# KiCad board panel1.kicad_pcb
title: Hakea Wireless keyboard; date: 2022-01-09; rev: 1.0; company: TKW
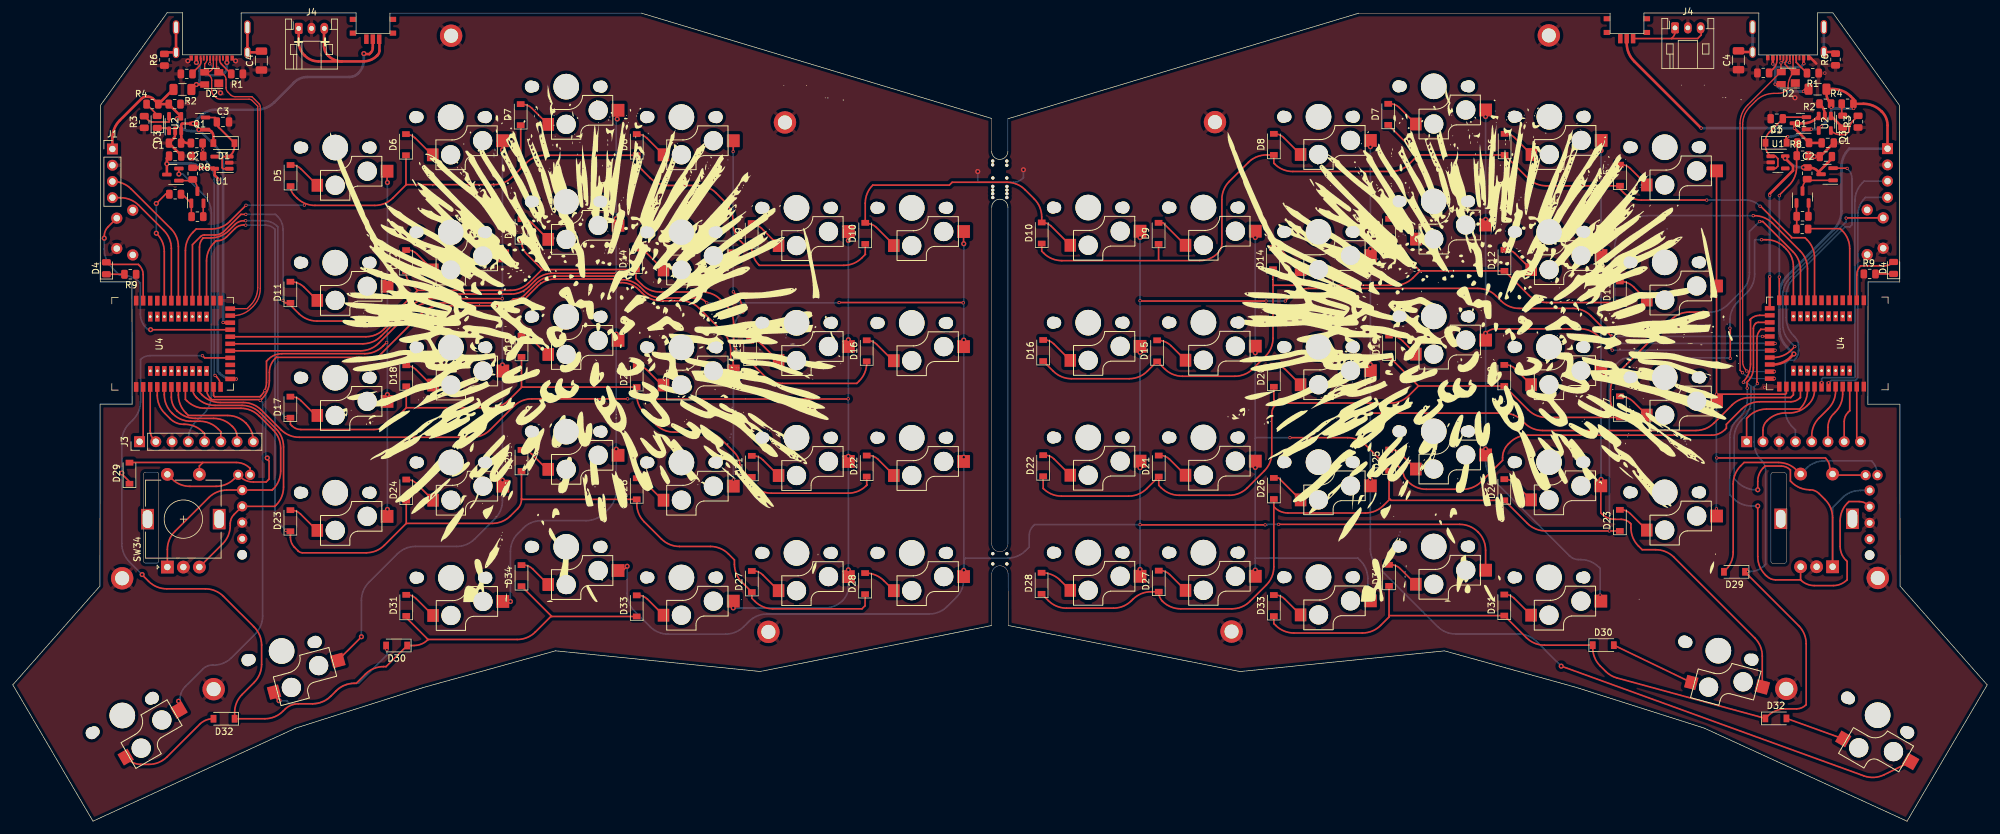
[diagram p0: board, top side]
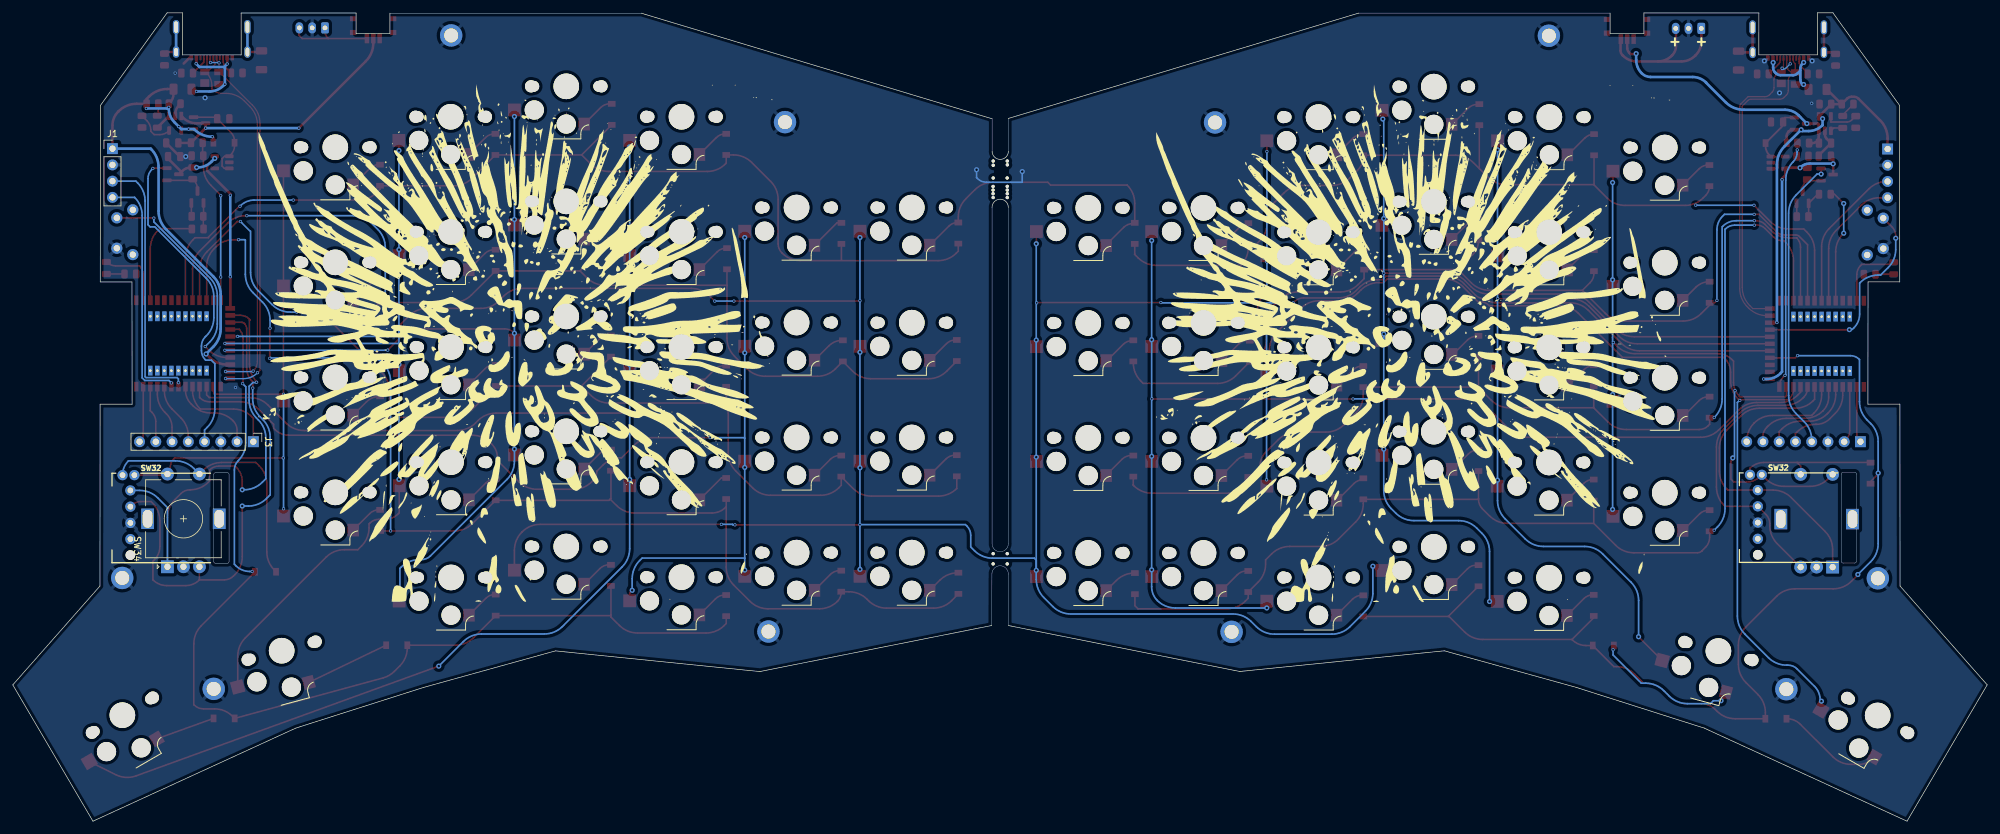
[diagram p1: board, bottom side, seen from below]

Outline 308.56 x 126.45 mm; copper layers: Top, Bottom. Coordinates in mm from the lower left corner of the outline.
Outline path: 152.97,104.79 152.98,109.91 98.22,126.4 58.93,126.4 58.93,123.2 53.65,123.2 53.65,126.42 35.68,126.42 35.69,119.87 26.52,119.87 26.52,126.45 24.11,126.45 13.7,111.97 13.67,84.36 18.62,84.36 18.65,65.23 13.64,65.23 13.62,36.79 0,21.33 12.53,0.01 44.21,14.56 64.2,20.93 84.82,26.65 116.77,23.42 152.98,30.62 152.98,38.68 ; 152.98,96.02 152.98,43.42 ; 155.51,104.79 155.51,109.88 210.34,126.39 249.62,126.39 249.62,123.19 254.9,123.19 254.9,126.42 272.87,126.42 272.86,119.86 282.03,119.86 282.03,126.44 284.45,126.44 294.86,111.96 294.89,84.35 289.93,84.35 289.91,65.23 294.91,65.23 294.94,36.78 308.56,21.32 296.03,0 264.34,14.56 244.36,20.92 223.74,26.64 191.79,23.41 155.58,30.61 155.54,38.68 ; 155.52,43.42 155.52,96.02
Stack: Top 0.035mm / dielectric 1.51mm FR4 er 4.5 / Bottom 0.035mm

## Placement (name value [footprint] x y rotation side)
C1  4.7uF  [C_0805_2012Metric]  25.34 106.07 180 top
C1#2  4.7uF  [C_0805_2012Metric]  283.63 106.1 0 top
C2  1uF  [C_0805_2012Metric]  25.37 104.04 0 top
C2#2  1uF  [C_0805_2012Metric]  283.34 103.96 180 top
C3  1uF  [C_0805_2012Metric]  32.84 109.37 0 top
C3#2  1uF  [C_0805_2012Metric]  275.67 109.88 180 top
C4  4.7n  [C_1206_3216Metric]  38.86 118.97 90 top
C4#2  4.7n  [C_1206_3216Metric]  269.69 119.02 90 top
D1  1N5819  [D_SOD-123]  275.56 106.12 0 top
D1#2  1N5819  [D_SOD-123]  32.99 106.07 180 top
D2  SR05  [SOT-143]  277.46 116.23 180 top
D2#2  SR05  [SOT-143]  31.09 116.18 180 top
D3  POWERLED  [D_0805_2012Metric]  285.97 109.42 90 top
D3#2  POWERLED  [D_0805_2012Metric]  22.58 109.37 90 top
D4  LED_Small  [D_0805_2012Metric]  14.63 86.49 90 top
D4#2  LED_Small  [D_0805_2012Metric]  293.92 86.54 90 top
D5  D_Small  [D_SOD-123]  43.4 100.99 90 top
D5#2  D_Small  [D_SOD-123]  251.17 101.04 90 top
D6  D_Small  [D_SOD-123]  233.14 105.87 90 top
D6#2  D_Small  [D_SOD-123]  61.44 105.82 90 top
D7  D_Small  [D_SOD-123]  79.37 110.52 90 top
D7#2  D_Small  [D_SOD-123]  214.95 110.57 90 top
D8  D_Small  [D_SOD-123]  197.07 105.87 90 top
D8#2  D_Small  [D_SOD-123]  97.51 105.82 90 top
D9  D_Small  [D_SOD-123]  115.46 91.9 90 top
D9#2  D_Small  [D_SOD-123]  179.06 91.95 90 top
D10  D_Small  [D_SOD-123]  133.22 91.95 90 top
D10#2  D_Small  [D_SOD-123]  160.8 92 90 top
D11  D_Small  [D_SOD-123]  43.38 82.73 90 top
D11#2  D_Small  [D_SOD-123]  251.15 82.78 90 top
D12  D_Small  [D_SOD-123]  61.46 87.68 90 top
D12#2  D_Small  [D_SOD-123]  233.11 87.73 90 top
D13  D_Small  [D_SOD-123]  215.08 92.57 90 top
D13#2  D_Small  [D_SOD-123]  79.5 92.52 90 top
D14  D_Small  [D_SOD-123]  97.38 87.94 90 top
D14#2  D_Small  [D_SOD-123]  196.94 87.99 90 top
D15  D_Small  [D_SOD-123]  115.24 73.52 90 top
D15#2  D_Small  [D_SOD-123]  178.83 73.57 90 top
D16  D_Small  [D_SOD-123]  161.03 73.62 90 top
D16#2  D_Small  [D_SOD-123]  133.45 73.57 90 top
D17  D_Small  [D_SOD-123]  251.15 64.81 90 top
D17#2  D_Small  [D_SOD-123]  43.38 64.76 90 top
D18  D_Small  [D_SOD-123]  233.09 69.72 90 top
D18#2  D_Small  [D_SOD-123]  61.49 69.67 90 top
D19  D_Small  [D_SOD-123]  215.08 74.32 90 top
D19#2  D_Small  [D_SOD-123]  79.5 74.27 90 top
D20  D_Small  [D_SOD-123]  197.07 69.6 90 top
D20#2  D_Small  [D_SOD-123]  97.51 69.55 90 top
D21  D_Small  [D_SOD-123]  179.09 55.55 90 top
D21#2  D_Small  [D_SOD-123]  115.49 55.5 90 top
D22  D_Small  [D_SOD-123]  133.45 55.55 90 top
D22#2  D_Small  [D_SOD-123]  161.03 55.6 90 top
D23  D_Small  [D_SOD-123]  251.15 47.05 90 top
D23#2  D_Small  [D_SOD-123]  43.38 47 90 top
D24  D_Small  [D_SOD-123]  61.49 51.79 90 top
D24#2  D_Small  [D_SOD-123]  233.09 51.84 90 top
D25  D_Small  [D_SOD-123]  79.5 56.43 90 top
D25#2  D_Small  [D_SOD-123]  215.08 56.48 90 top
D26  D_Small  [D_SOD-123]  197.07 52.05 90 top
D26#2  D_Small  [D_SOD-123]  97.51 52 90 top
D27  D_Small  [D_SOD-123]  115.49 37.49 90 top
D27#2  D_Small  [D_SOD-123]  179.09 37.54 90 top
D28  D_Small  [D_SOD-123]  133.19 37.16 90 top
D28#2  D_Small  [D_SOD-123]  160.77 37.21 90 top
D29  D_Small  [D_SOD-123]  18.23 54.43 90 top
D29#2  D_Small  [D_SOD-123]  269.06 39.01 180 top
D30  D_Small  [D_SOD-123]  59.99 27.48 180 top
D30#2  D_Small  [D_SOD-123]  248.55 27.53 0 top
D31  D_Small  [D_SOD-123]  233.09 33.81 90 top
D31#2  D_Small  [D_SOD-123]  61.49 33.76 90 top
D32  D_Small  [D_SOD-123]  275.53 16.08 0 top
D32#2  D_Small  [D_SOD-123]  33.02 16.03 180 top
D33  D_Small  [D_SOD-123]  197.07 33.73 90 top
D33#2  D_Small  [D_SOD-123]  97.51 33.68 90 top
D34  D_Small  [D_SOD-123]  79.5 38.41 90 top
D34#2  D_Small  [D_SOD-123]  215.08 38.46 90 top
F1  500ma  [Fuse_1206_3216Metric]  26.51 114.45 0 top
F1#2  500ma  [Fuse_1206_3216Metric]  282.04 114.5 180 top
G***  LOGO  [hakea]  89.68 74.71 0 top
G***#2  LOGO  [tkw-small]  281.24 28.63 0 top
G***#3  LOGO  [tkw-small]  27.99 29.16 0 top
G***#4  LOGO  [hakea]  229.97 74.76 0 top
G***#5  LOGO  [tkw-small]  280.56 29.21 180 bottom
G***#6  LOGO  [tkw-small]  27.3 28.58 180 bottom
G***#7  LOGO  [hakea]  230.05 74.76 180 bottom
G***#8  LOGO  [hakea]  89.76 74.71 180 bottom
H2  MountingHole  [MountingHole_2.2mm_M2_ISO7380_Pad]  17.09 38 0 top
H2#2  MountingHole  [MountingHole_2.2mm_M2_ISO7380_Pad]  291.46 38.05 180 bottom
H3  MountingHole  [MountingHole_2.2mm_M2_ISO7380_Pad]  31.39 20.65 0 top
H3#2  MountingHole  [MountingHole_2.2mm_M2_ISO7380_Pad]  277.16 20.7 180 bottom
H4  MountingHole  [MountingHole_2.2mm_M2_ISO7380_Pad]  118.08 29.62 0 top
H4#2  MountingHole  [MountingHole_2.2mm_M2_ISO7380_Pad]  190.47 29.67 180 bottom
H5  MountingHole  [MountingHole_2.2mm_M2_ISO7380_Pad]  120.67 109.3 0 top
H5#2  MountingHole  [MountingHole_2.2mm_M2_ISO7380_Pad]  187.87 109.35 180 bottom
H6  MountingHole  [MountingHole_2.2mm_M2_ISO7380_Pad]  68.5 122.86 0 top
H6#2  MountingHole  [MountingHole_2.2mm_M2_ISO7380_Pad]  240.05 122.91 180 bottom
J1  SWD PORT  [PinHeader_1x04_P2.54mm_Vertical]  15.57 105.15 0 top
J1#2  SWD PORT  [PinHeader_1x04_P2.54mm_Vertical]  292.98 105.2 180 bottom
J2  USB_C_Receptacle_USB2.0  [USB-C_C168688]  277.46 126.42 0 top
J2#2  USB_C_Receptacle_USB2.0  [USB-C_C168688]  31.09 126.37 0 top
J3  epaper-102  [PinHeader_1x08_P2.54mm_Vertical]  19.81 59.36 90 top
J3#2  epaper-102  [PinHeader_1x08_P2.54mm_Vertical]  270.97 59.36 270 bottom
J4  Conn_01x03  [JST_PH_S3B-PH-K_1x03_P2.00mm_Horizontal]  44.68 124 0 top
J4#2  Conn_01x03  [JST_PH_S3B-PH-K_1x03_P2.00mm_Horizontal]  259.77 124.09 0 top
mouse-bite-2.54mm-slot  VAL**  [mouse-bite-2.54mm-slot]  154.25 41.05 90 top
mouse-bite-2.54mm-slot#2  VAL**  [mouse-bite-2.54mm-slot#2]  154.25 98.35 90 top
Q1  AO3401A  [SOT-23]  279.37 109.17 180 top
Q1#2  AO3401A  [SOT-23]  29.18 109.12 180 top
Q2  2N7002  [SOT-23]  28.85 97.59 90 top
Q2#2  2N7002  [SOT-23]  279.7 97.64 90 top
Q3  AO3401A  [SOT-23]  283.53 101.19 180 top
Q3#2  AO3401A  [SOT-23]  25.02 101.14 180 top
R1  5.1k  [R_0805_2012Metric]  35.05 116.89 180 top
R1#2  5.1k  [R_0805_2012Metric]  281.3 117.02 180 top
R2  10k  [R_0805_2012Metric]  25.29 112.17 0 top
R2#2  10k  [R_0805_2012Metric]  283.25 112.22 180 top
R3  10k  [R_0805_2012Metric]  20.54 109.37 90 top
R3#2  10k  [R_0805_2012Metric]  288.37 109.42 90 top
R4  1k  [R_0805_2012Metric]  286.73 112.22 180 top
R4#2  1k  [R_0805_2012Metric]  21.81 112.17 180 top
R5  5.1k  [R_0805_2012Metric]  273.56 117.04 0 top
R5#2  5.1k  [R_0805_2012Metric]  27.18 116.89 0 top
R6  1M  [R_0805_2012Metric]  23.69 119.1 90 top
R6#2  1M  [R_0805_2012Metric]  284.85 119.15 90 top
R7  806k  [R_0805_2012Metric]  279.79 106.12 0 top
R7#2  806k  [R_0805_2012Metric]  28.75 106.07 180 top
R8  2M  [R_0805_2012Metric]  28.85 104.04 0 top
R8#2  2M  [R_0805_2012Metric]  279.7 104.09 180 top
R9  1k  [R_0805_2012Metric]  18.36 85.55 0 top
R9#2  1k  [R_0805_2012Metric]  290.19 85.6 180 top
R10  100R  [R_0805_2012Metric]  279.65 92.63 180 top
R10#2  1k  [R_0805_2012Metric]  25.37 98.07 0 top
R11  1k  [R_0805_2012Metric]  28.85 94.56 180 top
R11#2  10K  [R_0805_2012Metric]  279.7 94.61 180 top
R12  1k  [R_0805_2012Metric]  28.11 101.3 90 top
R12#2  10K  [R_0805_2012Metric]  280.43 101.35 90 top
SW1  SW_SPST  [TC-1101V]  17.5 92.08 270 top
SW1#2  SW_SPST  [TC-1101V]  291.05 92.13 270 bottom
SW2  SW_Push  [CherryMX_Choc_Hotswap-1side]  50.39 105.37 0 top
SW2#2  SW_Push  [CherryMX_Choc_Hotswap-1side]  258.16 105.42 0 top
SW3  SW_Push  [CherryMX_Choc_Hotswap-1side]  240.12 110.19 0 top
SW3#2  SW_Push  [CherryMX_Choc_Hotswap-1side]  68.42 110.14 0 top
SW4  SW_Push  [CherryMX_Choc_Hotswap-1side]  222.06 114.95 0 top
SW4#2  SW_Push  [CherryMX_Choc_Hotswap-1side]  86.48 114.9 0 top
SW5  SW_Push  [CherryMX_Choc_Hotswap-1side]  104.49 110.14 0 top
SW5#2  SW_Push  [CherryMX_Choc_Hotswap-1side]  204.05 110.19 0 top
SW6  SW_Push  [CherryMX_Choc_Hotswap-1side]  186.07 95.99 0 top
SW6#2  SW_Push  [CherryMX_Choc_Hotswap-1side]  122.48 95.94 0 top
SW7  SW_Push  [CherryMX_Choc_Hotswap-1side]  168.06 95.99 0 top
SW7#2  SW_Push  [CherryMX_Choc_Hotswap-1side]  140.48 95.94 0 top
SW8  SW_Push  [CherryMX_Choc_Hotswap-1side]  258.16 87.42 0 top
SW8#2  SW_Push  [CherryMX_Choc_Hotswap-1side]  50.39 87.36 0 top
SW9  SW_Push  [CherryMX_Choc_Hotswap-1side]  240.1 92.18 0 top
SW9#2  SW_Push  [CherryMX_Choc_Hotswap-1side]  68.45 92.13 0 top
SW10  SW_Push  [CherryMX_Choc_Hotswap-1side]  86.48 96.9 0 top
SW10#2  SW_Push  [CherryMX_Choc_Hotswap-1side]  222.06 96.95 0 top
SW11  SW_Push  [CherryMX_Choc_Hotswap-1side]  104.49 92.13 0 top
SW11#2  SW_Push  [CherryMX_Choc_Hotswap-1side]  204.06 92.18 0 top
SW12  SW_Push  [CherryMX_Choc_Hotswap-1side]  122.48 77.95 0 top
SW12#2  SW_Push  [CherryMX_Choc_Hotswap-1side]  186.07 78 0 top
SW13  SW_Push  [CherryMX_Choc_Hotswap-1side]  140.48 77.93 0 top
SW13#2  SW_Push  [CherryMX_Choc_Hotswap-1side]  168.06 77.98 0 top
SW14  SW_Push  [CherryMX_Choc_Hotswap-1side]  258.16 69.42 0 top
SW14#2  SW_Push  [CherryMX_Choc_Hotswap-1side]  50.39 69.37 0 top
SW15  SW_Push  [CherryMX_Choc_Hotswap-1side]  68.47 74.12 0 top
SW15#2  SW_Push  [CherryMX_Choc_Hotswap-1side]  240.07 74.17 0 top
SW16  SW_Push  [CherryMX_Choc_Hotswap-1side]  86.48 78.91 0 top
SW16#2  SW_Push  [CherryMX_Choc_Hotswap-1side]  222.06 78.96 0 top
SW17  SW_Push  [CherryMX_Choc_Hotswap-1side]  104.49 74.12 0 top
SW17#2  SW_Push  [CherryMX_Choc_Hotswap-1side]  204.06 74.17 0 top
SW18  SW_Push  [CherryMX_Choc_Hotswap-1side]  122.48 59.97 0 top
SW18#2  SW_Push  [CherryMX_Choc_Hotswap-1side]  186.07 60.02 0 top
SW19  SW_Push  [CherryMX_Choc_Hotswap-1side]  168.06 60.02 0 top
SW19#2  SW_Push  [CherryMX_Choc_Hotswap-1side]  140.48 59.97 0 top
SW20  SW_Push  [CherryMX_Choc_Hotswap-1side]  50.39 51.38 0 top
SW20#2  SW_Push  [CherryMX_Choc_Hotswap-1side]  258.16 51.43 0 top
SW21  SW_Push  [CherryMX_Choc_Hotswap-1side]  68.47 56.11 0 top
SW21#2  SW_Push  [CherryMX_Choc_Hotswap-1side]  240.07 56.16 0 top
SW22  SW_Push  [CherryMX_Choc_Hotswap-1side]  86.48 60.94 0 top
SW22#2  SW_Push  [CherryMX_Choc_Hotswap-1side]  222.06 60.99 0 top
SW23  SW_Push  [CherryMX_Choc_Hotswap-1side]  104.49 56.11 0 top
SW23#2  SW_Push  [CherryMX_Choc_Hotswap-1side]  204.06 56.16 0 top
SW24  SW_Push  [CherryMX_Choc_Hotswap-1side]  122.48 41.96 0 top
SW24#2  SW_Push  [CherryMX_Choc_Hotswap-1side]  186.07 42.01 0 top
SW25  SW_Push  [CherryMX_Choc_Hotswap-1side]  168.06 42.01 0 top
SW25#2  SW_Push  [CherryMX_Choc_Hotswap-1side]  140.48 41.96 0 top
SW26  SW_Push  [CherryMX_Choc_Hotswap-1side]  42.01 26.62 15 top
SW26#2  SW_Push  [CherryMX_Choc_Hotswap-1side]  266.54 26.67 345 top
SW27  SW_Push  [CherryMX_Choc_Hotswap-1side]  240.07 38.13 0 top
SW27#2  SW_Push  [CherryMX_Choc_Hotswap-1side]  68.47 38.08 0 top
SW28  SW_Push  [CherryMX_Choc_Hotswap-1side]  291.43 16.59 330 top
SW28#2  SW_Push  [CherryMX_Choc_Hotswap-1side]  17.12 16.54 30 top
SW29  SW_Push  [CherryMX_Choc_Hotswap-1side]  204.06 38.17 0 top
SW29#2  SW_Push  [CherryMX_Choc_Hotswap-1side]  104.49 38.12 0 top
SW30  SW_Push  [CherryMX_Choc_Hotswap-1side]  222.06 42.96 0 top
SW30#2  SW_Push  [CherryMX_Choc_Hotswap-1side]  86.48 42.91 0 top
SW32  Rotary_Encoder_Switch  [RollerEncoder_Panasonic_EVQWGD001]  30.22 47.98 180 bottom
SW32#2  Rotary_Encoder_Switch  [RollerEncoder_Panasonic_EVQWGD001]  284.56 47.93 180 bottom
SW33  SW_SPDT  [midmount_slide]  57.61 121.82 180 top
SW33#2  SW_SPDT  [midmount_slide]  253.57 121.92 180 top
SW34  Rotary_Encoder_Switch  [RotaryEncoder_Alps_EC11E-Switch_Vertical_H20mm]  24.16 39.75 90 top
SW34#2  Rotary_Encoder_Switch  [RotaryEncoder_Alps_EC11E-Switch_Vertical_H20mm]  284.39 39.8 90 bottom
U1  AP2112K-3.3  [SOT-23-5]  32.69 103.01 180 top
U1#2  AP2112K-3.3  [SOT-23-5]  275.85 103.06 0 top
U2  TP4054  [SOT-23-5]  25.37 109.12 90 top
U2#2  TP4054  [SOT-23-5]  283.18 109.17 270 top
U4  -  [nRF52840_holyiot_18010]  283.57 74.73 270 top
U4#2  -  [nRF52840_holyiot_18010]  24.98 74.68 90 top

## Library data of the parts
J2 J2#2 = -: JLC Part: C168688; LCSC Part: C168688
SW1 = -: Field4: RESET; Field5: *
SW1#2 = -: Field4: *; Field5: RESET
SW33 SW33#2 = -: Field4: SK-3293S

## Footprints (pads in the part's own frame, mm; a bottom-side part is the same pattern mirrored in y, then rotated)
C_0805_2012Metric
  rrect 1x1.45 smd: 1(-0.95,0) 2(0.95,0)
C_1206_3216Metric
  rrect 1.15x1.8 smd: 1(-1.475,0) 2(1.475,0)
CherryMX_Choc_Hotswap-1side
  round 1.9 hole 1.9 unplated: (-5.5,0) (5.5,0)
  round 1.7 hole 1.7 unplated: (-5.08,0) (5.08,0)
  round 4 hole 4 unplated: (0,0)
  round 3 hole 3 unplated: (0,-5.9) (5,-3.7)
  rect 1.8x2 smd: 1(-2.8,-5.9)
  rect 2x2 smd: 2(8.1,-3.7)
D_0805_2012Metric
  rrect 0.975x1.4 smd: 1(-0.938,0) 2(0.938,0)
D_SOD-123
  rect 0.9x1.2 smd: 1(-1.65,0) 2(1.65,0)
Fuse_1206_3216Metric
  rrect 1.25x1.75 smd: 1(-1.4,0) 2(1.4,0)
JST_PH_S3B-PH-K_1x03_P2.00mm_Horizontal
  rrect 1.2x1.75 hole 0.75: 1(0,0)
  oval 1.2x1.75 hole 0.75: 2(2,0) 3(4,0)
midmount_slide
  rrect 0.7x1.5 smd: 1(0.35,-0.5) 2(1.35,-0.5) 3(2.35,-0.5)
  rrect 1x0.8 smd: 4(-1.8,-1.45) 4(-1.8,-3.6) 4(4.45,-1.45) 4(4.45,-3.6)
MountingHole_2.2mm_M2_ISO7380_Pad
  round 3.5 hole 2.2: 1(0,0)
mouse-bite-2.54mm-slot
  round 0.5 hole 0.5 unplated: (-0.8,1.1) (-0.8,-1.1) (0.8,1.1) (0.8,-1.1)
mouse-bite-2.54mm-slot#2
  round 0.5 hole 0.5 unplated: (-0.8,1.1) (-0.8,-1.1) (-0.2,1.11) (-0.2,-1.11) (0.37,1.11) (0.37,-1.11) (0.94,-1.11) (0.95,1.1) (2.26,1.09) (2.26,-1.09) (4.25,-1.09) (4.32,1.12) (4.91,1.11) (4.91,-1.09)
nRF52840_holyiot_18010
  rect 1.524x0.7 smd: 1(-6.75,5.7) 2(-6.75,4.6) 3(-6.75,3.5) 4(-6.75,2.4) 5(-6.75,1.3) 6(-6.75,0.2) 7(-6.75,-0.9) 8(-6.75,-2) 9(-6.75,-3.1) 10(-6.75,-4.2) 11(-6.75,-5.3) 12(-6.75,-6.4) 13(-6.75,-7.5) 25(6.75,-7.5) 26(6.75,-6.4) 27(6.75,-5.3) 28(6.75,-4.2) 29(6.75,-3.1) 30(6.75,-2) 31(6.75,-0.9) 32(6.75,0.2) 33(6.75,1.3) 34(6.75,2.4) 35(6.75,3.5) 36(6.75,4.6) 37(6.75,5.7)
  rect 0.7x1.524 smd: 14(-5.5,-9) 15(-4.4,-9) 16(-3.3,-9) 17(-2.2,-9) 18(-1.1,-9) 19(0,-9) 20(1.1,-9) 21(2.2,-9) 22(3.3,-9) 23(4.4,-9) 24(5.5,-9)
  rect 1.524x0.7 hole 0.4: 38(-4.25,3.5) 39(-4.25,2.4) 40(-4.25,1.3) 41(-4.25,0.2) 42(-4.25,-0.9) 43(-4.25,-2) 44(-4.25,-3.1) 45(-4.25,-4.2) 46(-4.25,-5.3) 47(4.25,3.5) 48(4.25,2.4) 49(4.25,1.3) 50(4.25,0.2) 51(4.25,-0.9) 52(4.25,-2) 53(4.25,-3.1) 54(4.25,-4.2) 55(4.25,-5.3)
PinHeader_1x04_P2.54mm_Vertical
  rect 1.7x1.7 hole 1: 1(0,0)
  oval 1.7x1.7 hole 1: 2(0,-2.54) 3(0,-5.08) 4(0,-7.62)
PinHeader_1x08_P2.54mm_Vertical
  rect 1.7x1.7 hole 1: 1(0,0)
  oval 1.7x1.7 hole 1: 2(0,-2.54) 3(0,-5.08) 4(0,-7.62) 5(0,-10.16) 6(0,-12.7) 7(0,-15.24) 8(0,-17.78)
R_0805_2012Metric
  rrect 1.025x1.4 smd: 1(-0.912,0) 2(0.912,0)
RollerEncoder_Panasonic_EVQWGD001
  round 1.5 hole 1.5 unplated: (-5.625,-6.3)
  round 1.6 hole 0.9: A(-5.625,3.81) B(-5.625,1.27) C(-5.625,-1.27) D(-5.625,-3.81) S1(-6.85,6.2) S2(-5,6.2)
RotaryEncoder_Alps_EC11E-Switch_Vertical_H20mm
  rect 2x2 hole 1: A(0,0)
  round 2 hole 1: B(0,-5) C(0,-2.5) S1(14.5,-5) S2(14.5,0)
  rect 3.2x2 hole 2.8x1.5: MP(7.5,3.1) MP(7.5,-8.1)
SOT-23
  rrect 1.475x0.6 smd: 1(-0.938,0.95) 2(-0.938,-0.95) 3(0.938,0)
SOT-23-5
  rrect 1.325x0.6 smd: 1(-1.137,0.95) 2(-1.137,0) 3(-1.137,-0.95) 4(1.137,-0.95) 5(1.137,0.95)
SOT-143
  rect 1.4x1.2 smd: 1(-1.1,0.77)
  rect 1.4x1 smd: 2(-1.1,-0.95) 3(1.1,-0.95) 4(1.1,0.95)
TC-1101V
  round 1.75 hole 1: 1(-2.25,-1.25) 2(2.5,-1.25) 3(-3.5,1.25) 3(3.5,1.25)
USB-C_C168688
  rect 0.54x0.8 smd: A1(-3.2,-7) A1(3.2,-7) A4(-2.4,-7) A4(2.4,-7)
  rect 0.3x0.8 smd: A5(1.25,-7) A6(0.25,-7) A7(-0.25,-7) A8(-1.25,-7) B5(-1.75,-7) B6(-0.75,-7) B7(0.75,-7) B8(1.758,-7)
  oval 1x2.2 hole 0.6x1.8: S1(-5.575,-2.2) S2(5.575,-2.2)
  oval 1x1.8 hole 0.6x1.4: S3(-5.575,-6.1)
  oval 1x1.8 hole 0.6x1.3: S4(5.575,-6.1)

## Nets
GND: C1.2 C1#2.2 C2.2 C2#2.2 C3.2 C3#2.2 C4.1 C4#2.1 D2.1 D2#2.1 H2.1 H2#2.1 H3.1 H3#2.1 H4.1 H4#2.1 H5.1 H5#2.1 H6.1 H6#2.1 J1.2 J1#2.2 J2.A1 J2#2.A1 J3.3 J3#2.3 J4.2 J4#2.2 R1.1 R1#2.1 R2.2 R2#2.2 R3.1 R3#2.1 R5.1 R5#2.1 R6.1 R6#2.1 R8.1 R8#2.1 R9.2 R9#2.2 SW1.2 SW1#2.2 SW32.C SW32#2.C SW34.C SW34#2.C U1.2 U1#2.2 U2.2 U2#2.2 U4.1 U4.25 U4.37 U4#2.1 U4#2.25 U4#2.37
VBAT: C1.1 C1#2.1 Q1.3 Q1#2.3 R7.2 R7#2.2 SW33.2 SW33#2.2 U2.3 U2#2.3
VBUS: D1.2 D1#2.2 F1.1 F1#2.1 J1.1 J1#2.1 Q1.1 Q1#2.1 R2.1 R2#2.1 R4.1 R4#2.1 U2.4 U2#2.4 U4.22 U4#2.22
VDD_NRF: C2.1 C2#2.1 Q3.3 Q3#2.3 R12.2 R12#2.2 U1.5 U1#2.5 U4.14 U4#2.14
/CC1: J2.A5 J2#2.A5 R1.2 R1#2.2
/CC2: J2.B5 J2#2.B5 R5.2 R5#2.2
BUSY: J3.8 J3#2.8 U4.36 U4#2.7
BVOLT: R7.1 R7#2.1 R8.2 R8#2.2 U4.13 U4#2.13
COL0: SW2.2 SW2#2.2 SW8.2 SW8#2.2 SW14.2 SW14#2.2 SW20.2 SW20#2.2 SW32.S2 SW32#2.S2 SW34.S2 SW34#2.S2 U4.26 U4#2.12
COL1: SW3.2 SW3#2.2 SW9.2 SW9#2.2 SW15.2 SW15#2.2 SW21.2 SW21#2.2 SW26.2 SW26#2.2 U4.19 U4#2.19
COL2: SW4.2 SW4#2.2 SW10.2 SW10#2.2 SW16.2 SW16#2.2 SW22.2 SW22#2.2 SW27.2 SW27#2.2 U4.20 U4#2.20
COL3: SW5.2 SW5#2.2 SW11.2 SW11#2.2 SW17.2 SW17#2.2 SW23.2 SW23#2.2 SW28.2 SW28#2.2 U4.27 U4#2.11
COL4: SW6.2 SW6#2.2 SW12.2 SW12#2.2 SW18.2 SW18#2.2 SW24.2 SW24#2.2 SW29.2 SW29#2.2 U4.28 U4#2.10
COL5: SW7.2 SW7#2.2 SW13.2 SW13#2.2 SW19.2 SW19#2.2 SW25.2 SW25#2.2 SW30.2 SW30#2.2 U4.18 U4#2.18
CS: J3.1 J3#2.1 U4.29 U4#2.2
D+: D2.3 D2#2.3 J2.A6 J2.B6 J2#2.A6 J2#2.B6 U4.24 U4#2.24
D-: D2.2 D2#2.2 J2.A7 J2.B7 J2#2.A7 J2#2.B7 U4.23 U4#2.23
DC: J3.2 J3#2.2 U4.30 U4#2.3
Earth: C4.2 C4#2.2 J2.S1 J2.S2 J2.S3 J2.S4 J2#2.S1 J2#2.S2 J2#2.S3 J2#2.S4 R6.2 R6#2.2
LED_1: D4.2 D4#2.2 U4.2 U4#2.36
MOSI: J3.6 J3#2.6 U4.34 U4#2.5
PWR: J3.4 J3#2.4 Q3.2 Q3#2.2
PWR_EN: R10.1 R10#2.1 U4.3 U4#2.33
RAW: D2.4 D2#2.4 F1.2 F1#2.2 J2.A4 J2#2.A4
RESET: SW1.1 SW1#2.1 U4.21 U4#2.21
ROT1A: SW32.A SW32#2.A SW34.A SW34#2.A U4.15 U4#2.8
ROT1B: SW32.B SW32#2.B SW34.B SW34#2.B U4.16 U4#2.9
ROW0: D5.1 D5#2.1 D6.1 D6#2.1 D7.1 D7#2.1 D8.1 D8#2.1 D9.1 D9#2.1 D10.1 D10#2.1 U4.8 U4#2.30
ROW1: D11.1 D11#2.1 D12.1 D12#2.1 D13.1 D13#2.1 D14.1 D14#2.1 D15.1 D15#2.1 D16.1 D16#2.1 U4.9 U4#2.29
ROW2: D17.1 D17#2.1 D18.1 D18#2.1 D19.1 D19#2.1 D20.1 D20#2.1 D21.1 D21#2.1 D22.1 D22#2.1 U4.10 U4#2.28
ROW3: D23.1 D23#2.1 D24.1 D24#2.1 D25.1 D25#2.1 D26.1 D26#2.1 D27.1 D27#2.1 D28.1 D28#2.1 U4.11 U4#2.27
ROW4: D29.1 D29#2.1 D30.1 D30#2.1 D31.1 D31#2.1 D32.1 D32#2.1 D33.1 D33#2.1 D34.1 D34#2.1 U4.17 U4#2.17
RST: J3.7 J3#2.7 U4.35 U4#2.6
SCLK: J3.5 J3#2.5 U4.33 U4#2.4
SWC: J1.3 J1#2.3 U4.31 U4#2.31
SWD: J1.4 J1#2.4 U4.32 U4#2.32
Net-(C3-Pad1): C3.1 C3#2.1 D1.1 D1#2.1 Q1.2 Q1#2.2 U1.1 U1.3 U1#2.1 U1#2.3
Net-(D3-Pad1): D3.1 D3#2.1 U2.1 U2#2.1
Net-(D3-Pad2): D3.2 D3#2.2 R4.2 R4#2.2
Net-(D4-Pad1): D4.1 D4#2.1 R9.1 R9#2.1
Net-(D5-Pad2): D5.2 D5#2.2 SW2.1 SW2#2.1
Net-(D6-Pad2): D6.2 D6#2.2 SW3.1 SW3#2.1
Net-(D7-Pad2): D7.2 D7#2.2 SW4.1 SW4#2.1
Net-(D8-Pad2): D8.2 D8#2.2 SW5.1 SW5#2.1
Net-(D9-Pad2): D9.2 D9#2.2 SW6.1 SW6#2.1
Net-(D10-Pad2): D10.2 D10#2.2 SW7.1 SW7#2.1
Net-(D11-Pad2): D11.2 D11#2.2 SW8.1 SW8#2.1
Net-(D12-Pad2): D12.2 D12#2.2 SW9.1 SW9#2.1
Net-(D13-Pad2): D13.2 D13#2.2 SW10.1 SW10#2.1
Net-(D14-Pad2): D14.2 D14#2.2 SW11.1 SW11#2.1
Net-(D15-Pad2): D15.2 D15#2.2 SW12.1 SW12#2.1
Net-(D16-Pad2): D16.2 D16#2.2 SW13.1 SW13#2.1
Net-(D17-Pad2): D17.2 D17#2.2 SW14.1 SW14#2.1
Net-(D18-Pad2): D18.2 D18#2.2 SW15.1 SW15#2.1
Net-(D19-Pad2): D19.2 D19#2.2 SW16.1 SW16#2.1
Net-(D20-Pad2): D20.2 D20#2.2 SW17.1 SW17#2.1
Net-(D21-Pad2): D21.2 D21#2.2 SW18.1 SW18#2.1
Net-(D22-Pad2): D22.2 D22#2.2 SW19.1 SW19#2.1
Net-(D23-Pad2): D23.2 D23#2.2 SW20.1 SW20#2.1
Net-(D24-Pad2): D24.2 D24#2.2 SW21.1 SW21#2.1
Net-(D25-Pad2): D25.2 D25#2.2 SW22.1 SW22#2.1
Net-(D26-Pad2): D26.2 D26#2.2 SW23.1 SW23#2.1
Net-(D27-Pad2): D27.2 D27#2.2 SW24.1 SW24#2.1
Net-(D28-Pad2): D28.2 D28#2.2 SW25.1 SW25#2.1
Net-(D29-Pad2): D29.2 D29#2.2 SW32.S1 SW32#2.S1 SW34.S1 SW34#2.S1
Net-(D30-Pad2): D30.2 D30#2.2 SW26.1 SW26#2.1
Net-(D31-Pad2): D31.2 D31#2.2 SW27.1 SW27#2.1
Net-(D32-Pad2): D32.2 D32#2.2 SW28.1 SW28#2.1
Net-(D33-Pad2): D33.2 D33#2.2 SW29.1 SW29#2.1
Net-(D34-Pad2): D34.2 D34#2.2 SW30.1 SW30#2.1
Net-(J4-Pad1): J4.1 J4.3 J4#2.1 J4#2.3 SW33.1 SW33#2.1
Net-(Q2-Pad1): Q2.1 Q2#2.1 R10.2 R10#2.2 R11.2 R11#2.2
Net-(Q2-Pad2): Q2.2 Q2#2.2 R11.1 R11#2.1
Net-(Q2-Pad3): Q2.3 Q2#2.3 Q3.1 Q3#2.1 R12.1 R12#2.1
Net-(R3-Pad2): R3.2 R3#2.2 U2.5 U2#2.5

Pads without a net: J2 A8 B8; J2#2 A8 B8; SW1 3; SW1#2 3; SW32 D; SW32#2 D; SW33 3 4; SW33#2 3 4; SW34 MP; SW34#2 MP; U1 4; U1#2 4; U4 4 5 6 7 12 38 39 40 41 42 43 44 45 46 47 48 49 50 51 52 53 54 55; U4#2 15 16 26 34 35 38 39 40 41 42 43 44 45 46 47 48 49 50 51 52 53 54 55

## Via types
v1: diameter 0.8, hole 0.4, Top to Bottom, 77 vias
v2: diameter 0.5, hole 0.3, Top to Bottom, 94 vias
